# Altium PCB PCB.PcbDoc (part 2 of 2)
Units mm, origin at the board's own origin, x right, y up, seen from the top; angles counter-clockwise.
Board outline 139 x 230 mm, 2 copper layers (Top Layer, Bottom Layer), stack 1.671 mm thick; 214 components, 149 nets, 641 pads, 119 vias.
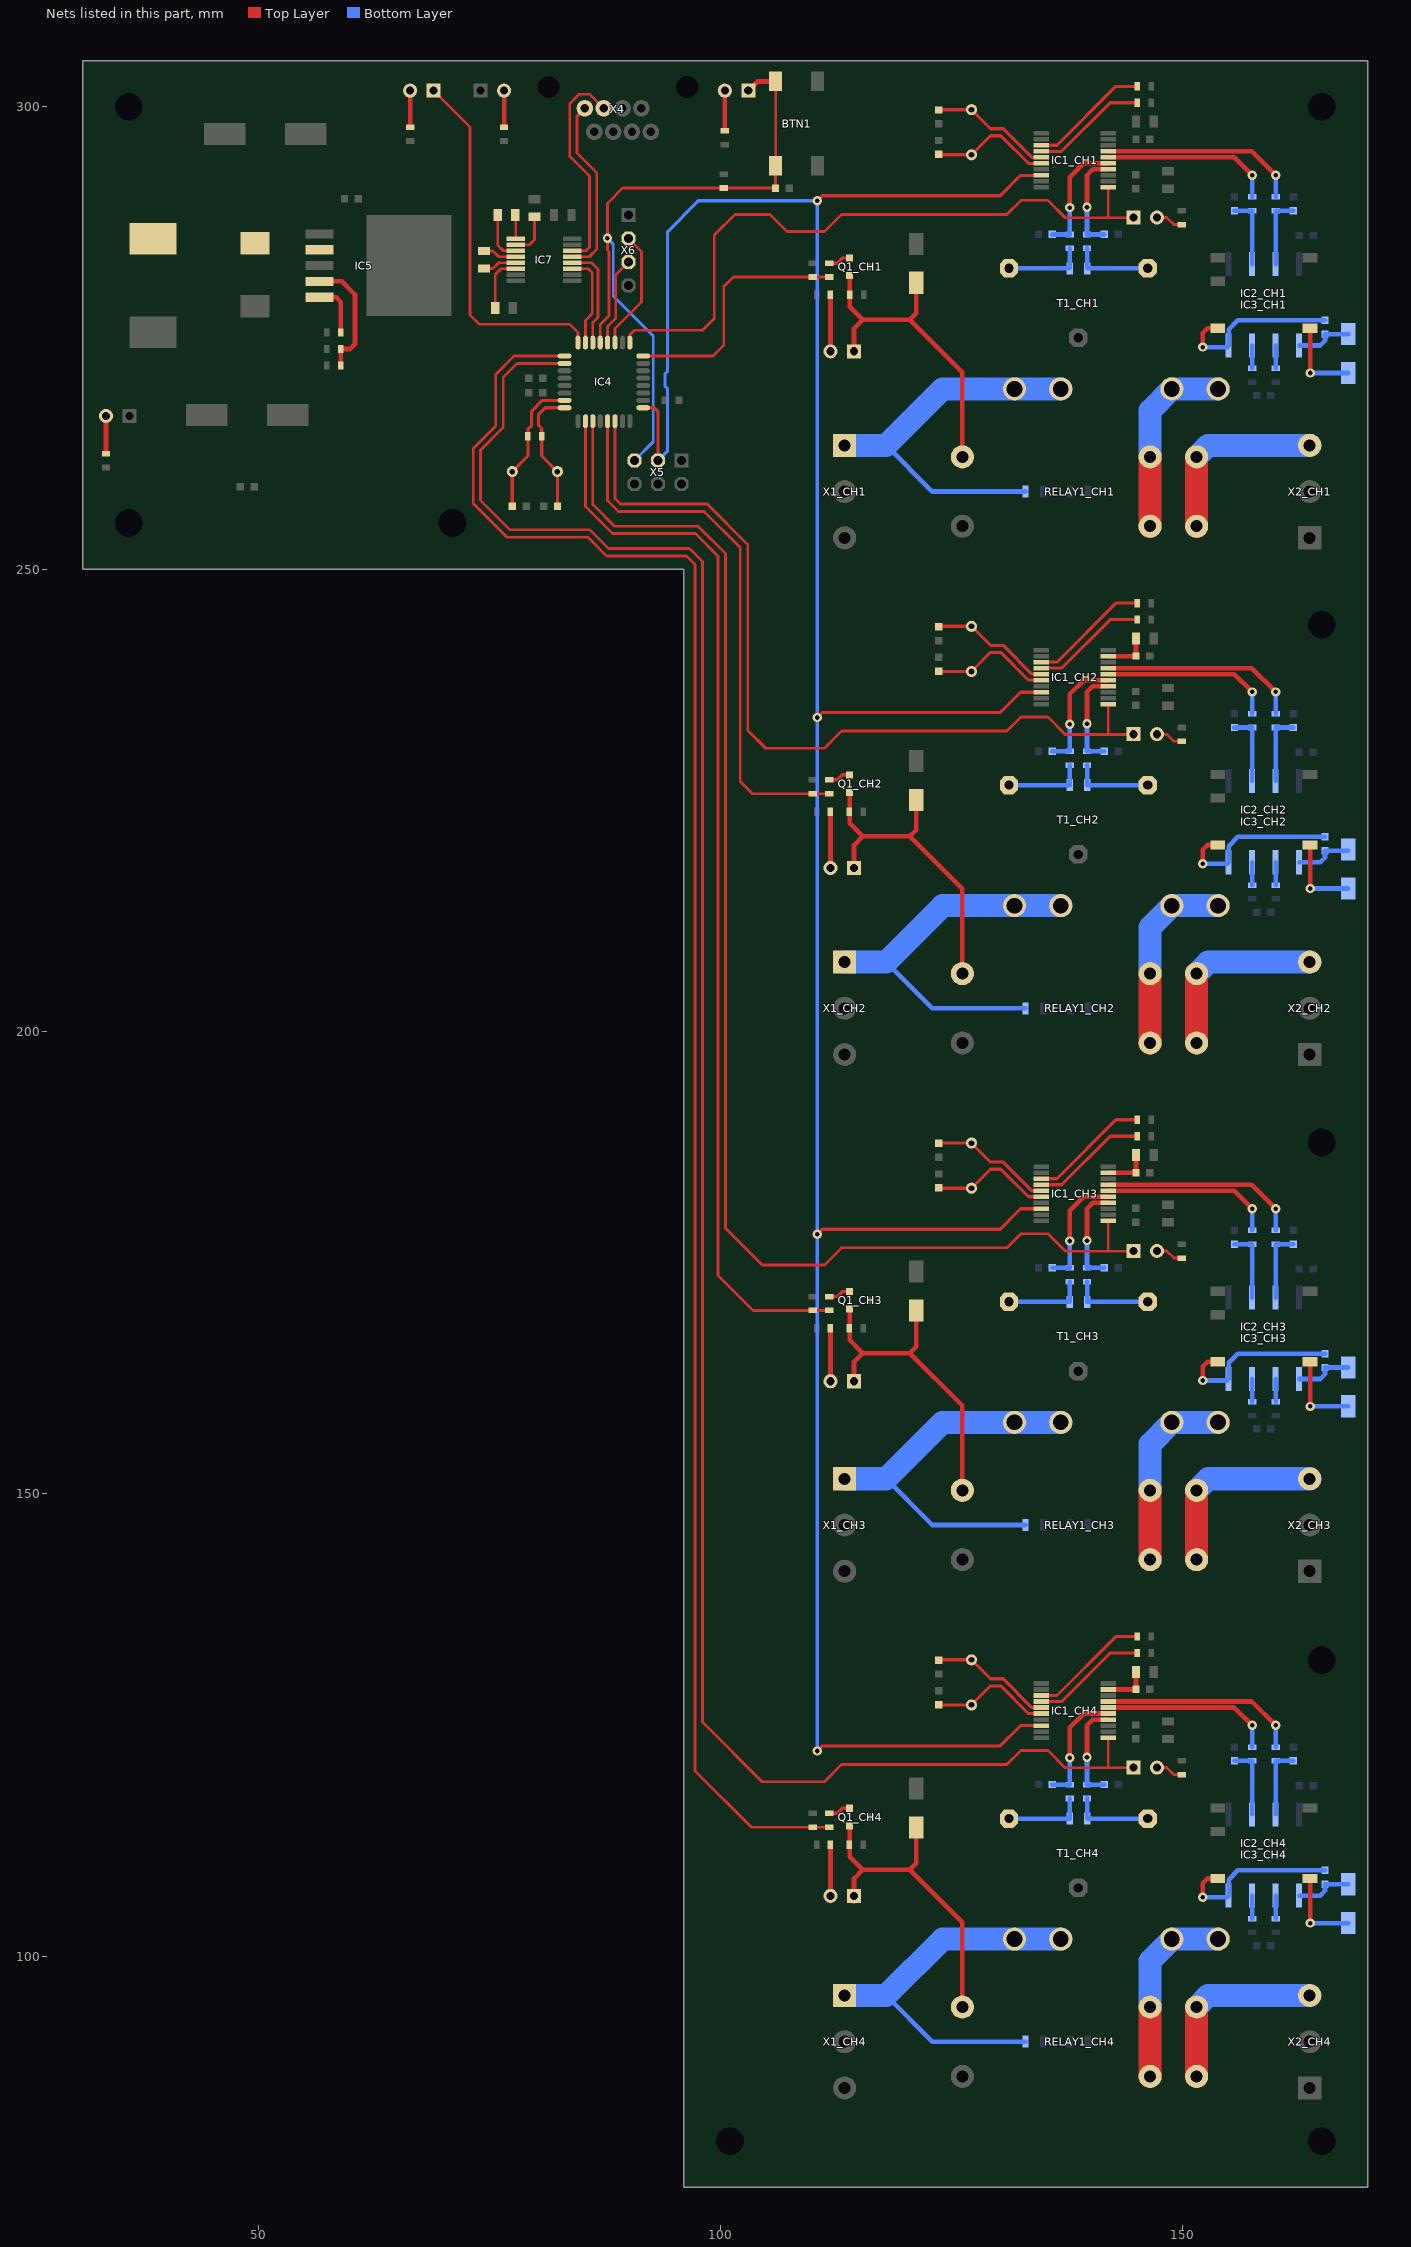
[diagram p2: the nets of this part, all layers, seen from the top]

## Via types
v1: diameter 1, hole 0.5, Top Layer to Bottom Layer, 119 vias

## Nets (pads, with @x,y where several pads share a name; then routed paths per layer and width w, separated by ;. In a path a pad name is that pad's centre, name@x,y a point inside that pad or via, vN(x,y) a via of type N, cw(c..) or ccw(c..) an arc to the next point about the centre after c; other vN are vias at no path point) (continued)
NetC1_CH2_1: C1_CH2.1 C4_CH2.1 IC1_CH2.9 | length 4.9
  Top Layer w0.5: IC1_CH2.9@141.928,240.603 144.919,240.603 C4_CH2.1@144.919,240.614 144.919,242.516 C1_CH2.1@144.922,242.519
NetC1_CH3_1: C1_CH3.1 C4_CH3.1 IC1_CH3.9 | length 4.9
  Top Layer w0.5: IC1_CH3.9@141.928,184.723 144.919,184.723 C4_CH3.1@144.919,184.734 144.919,186.636 C1_CH3.1@144.922,186.639
NetC1_CH4_1: C1_CH4.1 C4_CH4.1 IC1_CH4.9 | length 4.9
  Top Layer w0.5: IC1_CH4.9@141.928,128.843 144.919,128.843 C4_CH4.1@144.919,128.854 144.919,130.756 C1_CH4.1@144.922,130.759
NetC3_CH1_2: C3_CH1.2 IC1_CH1.15 Z1_CH1.2 | length 13.3
  Top Layer w0.35: C3_CH1.2@123.571,299.657 123.61,299.696 Z1_CH1.2@127.127,299.696 129.186,297.637 130.556,297.637 133.66,294.533 IC1_CH1.15@134.678,294.533
NetC3_CH2_2: C3_CH2.2 IC1_CH2.15 Z1_CH2.2 | length 13.3
  Top Layer w0.35: C3_CH2.2@123.571,243.777 123.61,243.816 Z1_CH2.2@127.127,243.816 129.186,241.757 130.556,241.757 133.66,238.653 IC1_CH2.15@134.678,238.653
NetC3_CH3_2: C3_CH3.2 IC1_CH3.15 Z1_CH3.2 | length 13.3
  Top Layer w0.35: C3_CH3.2@123.571,187.897 123.61,187.936 Z1_CH3.2@127.127,187.936 129.186,185.877 130.556,185.877 133.66,182.773 IC1_CH3.15@134.678,182.773
NetC3_CH4_2: C3_CH4.2 IC1_CH4.15 Z1_CH4.2 | length 13.3
  Top Layer w0.35: C3_CH4.2@123.571,132.017 123.61,132.056 Z1_CH4.2@127.127,132.056 129.186,129.997 130.556,129.997 133.66,126.893 IC1_CH4.15@134.678,126.893
NetC7_CH1_2: C7_CH1.2 IC1_CH1.16 Z1_CH1.1 | length 13.2
  Top Layer w0.35: C7_CH1.2@123.571,294.855 123.61,294.816 Z1_CH1.1@127.127,294.816 129.186,296.875 130.302,296.875 133.294,293.883 IC1_CH1.16@134.678,293.883
NetC7_CH2_2: C7_CH2.2 IC1_CH2.16 Z1_CH2.1 | length 13.2
  Top Layer w0.35: C7_CH2.2@123.571,238.975 123.61,238.936 Z1_CH2.1@127.127,238.936 129.186,240.995 130.302,240.995 133.294,238.003 IC1_CH2.16@134.678,238.003
NetC7_CH3_2: C7_CH3.2 IC1_CH3.16 Z1_CH3.1 | length 13.2
  Top Layer w0.35: C7_CH3.2@123.571,183.095 123.61,183.056 Z1_CH3.1@127.127,183.056 129.186,185.115 130.302,185.115 133.294,182.123 IC1_CH3.16@134.678,182.123
NetC7_CH4_2: C7_CH4.2 IC1_CH4.16 Z1_CH4.1 | length 13.2
  Top Layer w0.35: C7_CH4.2@123.571,127.215 123.61,127.176 Z1_CH4.1@127.127,127.176 129.186,129.235 130.302,129.235 133.294,126.243 IC1_CH4.16@134.678,126.243
NetC9_CH1_1: C9_CH1.1 IC3_CH1.7 R14_CH1.1 | length 7.7
  Bottom Layer w0.5: IC3_CH1.7@160.02,282.987 R14_CH1.1@160.02,288.759 C9_CH1.1@161.925,288.759
NetC9_CH2_1: C9_CH2.1 IC3_CH2.7 R14_CH2.1 | length 7.7
  Bottom Layer w0.5: IC3_CH2.7@160.02,227.107 R14_CH2.1@160.02,232.879 C9_CH2.1@161.925,232.879
NetC9_CH3_1: C9_CH3.1 IC3_CH3.7 R14_CH3.1 | length 7.7
  Bottom Layer w0.5: IC3_CH3.7@160.02,171.227 R14_CH3.1@160.02,176.999 C9_CH3.1@161.925,176.999
NetC9_CH4_1: C9_CH4.1 IC3_CH4.7 R14_CH4.1 | length 7.7
  Bottom Layer w0.5: IC3_CH4.7@160.02,115.347 R14_CH4.1@160.02,121.119 C9_CH4.1@161.925,121.119
NetC10_CH1_1: C10_CH1.1 IC3_CH1.6 R16_CH1.1 | length 7.7
  Bottom Layer w0.5: C10_CH1.1@155.575,288.759 R16_CH1.1@157.48,288.759 IC3_CH1.6@157.48,282.987
NetC10_CH2_1: C10_CH2.1 IC3_CH2.6 R16_CH2.1 | length 7.7
  Bottom Layer w0.5: C10_CH2.1@155.575,232.879 R16_CH2.1@157.48,232.879 IC3_CH2.6@157.48,227.107
NetC10_CH3_1: C10_CH3.1 IC3_CH3.6 R16_CH3.1 | length 7.7
  Bottom Layer w0.5: C10_CH3.1@155.575,176.999 R16_CH3.1@157.48,176.999 IC3_CH3.6@157.48,171.227
NetC10_CH4_1: C10_CH4.1 IC3_CH4.6 R16_CH4.1 | length 7.7
  Bottom Layer w0.5: C10_CH4.1@155.575,121.119 R16_CH4.1@157.48,121.119 IC3_CH4.6@157.48,115.347
NetC11_CH1_1: C11_CH1.1 IC2_CH1.4 IC3_CH1.4 | length 19
  Top Layer w0.5: v1(152.146,274.015) 152.146,275.539 152.654,276.047 IC2_CH1.4@153.75,276.047 IC2_CH1.4@154.004,276.047
  Bottom Layer w0.5: v1(152.146,274.015) 154.768,274.015 IC3_CH1.4@154.94,274.187 154.94,275.92 155.944,276.924 C11_CH1.1@165.354,276.924
NetC11_CH1_2: C11_CH1.2 D4_CH1.2 IC3_CH1.1 | length 6.2
  Bottom Layer w0.5: IC3_CH1.1@162.56,274.187 164.84,274.187 165.354,274.701 C11_CH1.2@165.354,275.424 167.863,275.424 D4_CH1.2@167.869,275.429
NetC11_CH2_1: C11_CH2.1 IC2_CH2.4 IC3_CH2.4 | length 19
  Top Layer w0.5: v1(152.146,218.135) 152.146,219.659 152.654,220.167 IC2_CH2.4@153.75,220.167 IC2_CH2.4@154.004,220.167
  Bottom Layer w0.5: v1(152.146,218.135) 154.768,218.135 IC3_CH2.4@154.94,218.307 154.94,220.04 155.944,221.044 C11_CH2.1@165.354,221.044
NetC11_CH2_2: C11_CH2.2 D4_CH2.2 IC3_CH2.1 | length 6.2
  Bottom Layer w0.5: IC3_CH2.1@162.56,218.307 164.84,218.307 165.354,218.821 C11_CH2.2@165.354,219.544 D4_CH2.2@167.863,219.544
NetC11_CH3_1: C11_CH3.1 IC2_CH3.4 IC3_CH3.4 | length 19
  Top Layer w0.5: v1(152.146,162.255) 152.146,163.779 152.654,164.287 IC2_CH3.4@153.75,164.287 IC2_CH3.4@154.004,164.287
  Bottom Layer w0.5: v1(152.146,162.255) 154.768,162.255 IC3_CH3.4@154.94,162.427 154.94,164.16 155.944,165.164 C11_CH3.1@165.354,165.164
NetC11_CH3_2: C11_CH3.2 D4_CH3.2 IC3_CH3.1 | length 6.2
  Bottom Layer w0.5: IC3_CH3.1@162.56,162.427 164.84,162.427 165.354,162.941 C11_CH3.2@165.354,163.664 D4_CH3.2@167.863,163.664
NetC11_CH4_1: C11_CH4.1 IC2_CH4.4 IC3_CH4.4 | length 19
  Top Layer w0.5: v1(152.146,106.375) 152.146,107.899 152.654,108.407 IC2_CH4.4@153.75,108.407 IC2_CH4.4@154.004,108.407
  Bottom Layer w0.5: v1(152.146,106.375) 154.768,106.375 IC3_CH4.4@154.94,106.547 154.94,108.28 155.944,109.284 C11_CH4.1@165.354,109.284
NetC11_CH4_2: C11_CH4.2 D4_CH4.2 IC3_CH4.1 | length 6.2
  Bottom Layer w0.5: IC3_CH4.1@162.56,106.547 164.84,106.547 165.354,107.061 C11_CH4.2@165.354,107.784 D4_CH4.2@167.863,107.784
NetC27_1: C27.1 IC7.3 | length 5.5
  Top Layer w0.3: C27.1@75.885,288.29 75.885,285.049 76.495,284.439 IC7.3@77.849,284.439
NetC27_2: C27.2 IC7.1 | length 2.6
  Top Layer w0.3: C27.2@77.785,288.29 77.849,288.226 IC7.1@77.849,285.739
NetC29_2: C29.2 IC7.2 | length 4.7
  Top Layer w0.3: IC7.2@77.849,285.089 79.349,285.089 79.883,285.623 C29.2@79.883,288.102
NetC30_1: C30.1 IC7.5 | length 3.7
  Top Layer w0.3: C30.1@74.422,282.514 75.377,282.514 76.002,283.139 IC7.5@77.849,283.139
NetC30_2: C30.2 IC7.4 | length 3.7
  Top Layer w0.3: C30.2@74.422,284.414 75.377,284.414 76.002,283.789 IC7.4@77.849,283.789
NetC31_2: C31.2 IC7.6 | length 6.1
  Top Layer w0.3: C31.2@75.631,278.257 75.631,281.879 76.241,282.489 IC7.6@77.849,282.489
NetD1_CH1_2: D1_CH1.2 R1_CH1.1 | length 6.1
  Top Layer w0.5: R1_CH1.1@111.875,279.679 111.887,279.667 D1_CH1.2@111.887,273.558
NetD1_CH2_2: D1_CH2.2 R1_CH2.1 | length 6.1
  Top Layer w0.5: D1_CH2.2@111.887,217.678 R1_CH2.1@111.887,223.787
NetD1_CH3_2: D1_CH3.2 R1_CH3.1 | length 6.1
  Top Layer w0.5: D1_CH3.2@111.887,161.823 D1_CH3.2@111.887,162.179 R1_CH3.1@111.887,167.933
NetD1_CH4_2: D1_CH4.2 R1_CH4.1 | length 6.1
  Top Layer w0.5: D1_CH4.2@111.887,105.943 D1_CH4.2@111.887,106.528 R1_CH4.1@111.887,112.053
NetD3_CH1_2: D3_CH1.2 R10_CH1.1 | length 3
  Top Layer w0.3: D3_CH1.2@147.193,288.036 148.234,288.036 149.01,287.261 R10_CH1.1@149.86,287.261
NetD3_CH2_2: D3_CH2.2 R10_CH2.1 | length 3
  Top Layer w0.3: D3_CH2.2@147.193,232.156 148.234,232.156 149.01,231.381 R10_CH2.1@149.86,231.381
NetD3_CH3_2: D3_CH3.2 R10_CH3.1 | length 3
  Top Layer w0.3: D3_CH3.2@147.193,176.276 148.234,176.276 149.01,175.501 R10_CH3.1@149.86,175.501
NetD3_CH4_2: D3_CH4.2 R10_CH4.1 | length 3
  Top Layer w0.3: D3_CH4.2@147.193,120.396 148.234,120.396 149.01,119.621 R10_CH4.1@149.86,119.621
NetD4_CH1_1: D4_CH1.1 IC2_CH1.5 | length 8.9
  Top Layer w0.5: IC2_CH1.5@163.75,276.047 163.75,271.225 v1(163.754,271.221)
  Bottom Layer w0.5: v1(163.754,271.221) 167.86,271.221 D4_CH1.1@167.869,271.229
NetD4_CH2_1: D4_CH2.1 IC2_CH2.5 | length 8.9
  Top Layer w0.5: v1@163.75,215.472 IC2_CH2.5@163.75,220.167 IC2_CH2.5@163.75,220.294
  Bottom Layer w0.5: v1(163.754,215.468) D4_CH2.1@167.86,215.468
NetD4_CH3_1: D4_CH3.1 IC2_CH3.5 | length 8.9
  Top Layer w0.5: v1@163.75,159.465 IC2_CH3.5@163.75,164.287
  Bottom Layer w0.5: v1(163.754,159.461) D4_CH3.1@167.86,159.461
NetD4_CH4_1: D4_CH4.1 IC2_CH4.5 | length 8.9
  Top Layer w0.5: v1@163.75,103.585 IC2_CH4.5@163.75,108.407
  Bottom Layer w0.5: v1(163.754,103.581) D4_CH4.1@167.86,103.581
NetD5_2: D5.2 R19.1 | length 4.1
  Top Layer w0.5: R19.1@33.528,262.497 D5.2@33.528,266.573
NetD6_2: D6.2 R20.1 | length 4.3
  Top Layer w0.5: R20.1@100.457,297.422 D6.2@100.457,301.752
NetD7_2: D7.2 R21.1 | length 3.9
  Top Layer w0.5: R21.1@66.421,297.803 D7.2@66.421,301.752
NetD8_2: D8.2 R24.1 | length 3.9
  Top Layer w0.5: R24.1@76.581,297.803 D8.2@76.581,301.752
NetIC1_CH1_13: IC1_CH1.13 R5_CH1.1 | length 13
  Top Layer w0.35: IC1_CH1.13@134.678,295.833 136.372,295.833 142.748,302.209 R5_CH1.1@145.046,302.209
NetIC1_CH1_14: IC1_CH1.14 R6_CH1.1 | length 12.5
  Top Layer w0.35: IC1_CH1.14@134.678,295.183 136.865,295.183 142.113,300.431 R6_CH1.1@145.046,300.431
NetIC1_CH2_13: IC1_CH2.13 R5_CH2.1 | length 13
  Top Layer w0.35: IC1_CH2.13@134.678,239.953 136.372,239.953 142.748,246.329 R5_CH2.1@145.046,246.329
NetIC1_CH2_14: IC1_CH2.14 R6_CH2.1 | length 12.5
  Top Layer w0.35: IC1_CH2.14@134.678,239.303 136.865,239.303 142.113,244.551 R6_CH2.1@145.046,244.551
NetIC1_CH3_13: IC1_CH3.13 R5_CH3.1 | length 13
  Top Layer w0.35: IC1_CH3.13@134.678,184.073 136.372,184.073 142.748,190.449 R5_CH3.1@145.046,190.449
NetIC1_CH3_14: IC1_CH3.14 R6_CH3.1 | length 12.5
  Top Layer w0.35: IC1_CH3.14@134.678,183.423 136.865,183.423 142.113,188.671 R6_CH3.1@145.046,188.671
NetIC1_CH4_13: IC1_CH4.13 R5_CH4.1 | length 13
  Top Layer w0.35: IC1_CH4.13@134.678,128.193 136.372,128.193 142.748,134.569 R5_CH4.1@145.046,134.569
NetIC1_CH4_14: IC1_CH4.14 R6_CH4.1 | length 12.5
  Top Layer w0.35: IC1_CH4.14@134.678,127.543 136.865,127.543 142.113,132.791 R6_CH4.1@145.046,132.791
NetIC3_CH1_2: IC3_CH1.2 R13_CH1.2 | length 2.5
  Bottom Layer w0.5: R13_CH1.2@160.02,271.717 IC3_CH1.2@160.02,274.187
NetIC3_CH1_3: IC3_CH1.3 R15_CH1.2 | length 2.5
  Bottom Layer w0.5: R15_CH1.2@157.48,271.717 IC3_CH1.3@157.48,274.187
NetIC3_CH2_2: IC3_CH2.2 R13_CH2.2 | length 2.5
  Bottom Layer w0.5: R13_CH2.2@160.02,215.837 IC3_CH2.2@160.02,218.307
NetIC3_CH2_3: IC3_CH2.3 R15_CH2.2 | length 2.5
  Bottom Layer w0.5: R15_CH2.2@157.48,215.837 IC3_CH2.3@157.48,218.307
NetIC3_CH3_2: IC3_CH3.2 R13_CH3.2 | length 2.5
  Bottom Layer w0.5: R13_CH3.2@160.02,159.957 IC3_CH3.2@160.02,162.427
NetIC3_CH3_3: IC3_CH3.3 R15_CH3.2 | length 2.5
  Bottom Layer w0.5: R15_CH3.2@157.48,159.957 IC3_CH3.3@157.48,162.427
NetIC3_CH4_2: IC3_CH4.2 R13_CH4.2 | length 2.5
  Bottom Layer w0.5: R13_CH4.2@160.02,104.077 IC3_CH4.2@160.02,106.547
NetIC3_CH4_3: IC3_CH4.3 R15_CH4.2 | length 2.5
  Bottom Layer w0.5: R15_CH4.2@157.48,104.077 IC3_CH4.3@157.48,106.547
NetIC5_2: IC5.2 L1.1 VD1.C
NetIC5_4: IC5.4 R25.1 R26.2 | length 13.3
  Top Layer w0.5: IC5.4@56.618,281.119 59.038,281.119 60.452,279.705 60.452,274.32 59.944,273.812 R25.1@58.916,273.812 R26.2@58.916,272.034
NetIC5_5: IC5.5 R27.1 | length 5.8
  Top Layer w0.5: IC5.5@56.618,279.409 58.411,279.409 58.928,278.892 R27.1@58.928,275.59
NetQ1_CH1_1: Q1_CH1.1 R3_CH1.1 | length 2.4
  Top Layer w0.35: R3_CH1.1@111.76,283.096 112.612,283.096 113.157,283.642 Q1_CH1.1@113.944,283.642
NetQ1_CH2_1: Q1_CH2.1 R3_CH2.1 | length 2.4
  Top Layer w0.35: R3_CH2.1@111.76,227.216 112.612,227.216 113.157,227.762 Q1_CH2.1@113.944,227.762
NetQ1_CH3_1: Q1_CH3.1 R3_CH3.1 | length 2.4
  Top Layer w0.35: R3_CH3.1@111.76,171.336 112.612,171.336 113.157,171.882 Q1_CH3.1@113.944,171.882
NetQ1_CH4_1: Q1_CH4.1 R3_CH4.1 | length 2.4
  Top Layer w0.35: R3_CH4.1@111.76,115.456 112.612,115.456 113.157,116.002 Q1_CH4.1@113.944,116.002
NetR7_CH1_2: R7_CH1.2 R8_CH1.1 T1_CH1.2 | length 8.7
  Bottom Layer w0.5: T1_CH1.2@131.184,282.531 131.191,282.524 R8_CH1.1@137.734,282.524 137.734,284.685 R7_CH1.2@137.744,284.695
NetR7_CH2_2: R7_CH2.2 R8_CH2.1 T1_CH2.2 | length 8.7
  Bottom Layer w0.5: T1_CH2.2@131.184,226.651 131.191,226.644 R8_CH2.1@137.734,226.644 137.734,228.805 R7_CH2.2@137.744,228.815
NetR7_CH3_2: R7_CH3.2 R8_CH3.1 T1_CH3.2 | length 8.7
  Bottom Layer w0.5: T1_CH3.2@131.184,170.771 131.191,170.764 R8_CH3.1@137.734,170.764 137.734,172.925 R7_CH3.2@137.744,172.935
NetR7_CH4_2: R7_CH4.2 R8_CH4.1 T1_CH4.2 | length 8.7
  Bottom Layer w0.5: T1_CH4.2@131.184,114.891 131.191,114.884 R8_CH4.1@137.734,114.884 137.734,117.045 R7_CH4.2@137.744,117.055
NetR8_CH1_2: R8_CH1.2 R9_CH1.2 T1_CH1.1 | length 8.7
  Bottom Layer w0.5: R9_CH1.2@139.624,284.695 139.634,284.685 R8_CH1.2@139.634,282.524 146.177,282.524 T1_CH1.1@146.184,282.531
NetR8_CH2_2: R8_CH2.2 R9_CH2.2 T1_CH2.1 | length 8.7
  Bottom Layer w0.5: R9_CH2.2@139.624,228.815 139.634,228.805 R8_CH2.2@139.634,226.644 146.177,226.644 T1_CH2.1@146.184,226.651
NetR8_CH3_2: R8_CH3.2 R9_CH3.2 T1_CH3.1 | length 8.7
  Bottom Layer w0.5: R9_CH3.2@139.624,172.935 139.634,172.925 R8_CH3.2@139.634,170.764 146.177,170.764 T1_CH3.1@146.184,170.771
NetR8_CH4_2: R8_CH4.2 R9_CH4.2 T1_CH4.1 | length 8.7
  Bottom Layer w0.5: R9_CH4.2@139.624,117.055 139.634,117.045 R8_CH4.2@139.634,114.884 146.177,114.884 T1_CH4.1@146.184,114.891
NetRELAY1_CH1_3: RELAY1_CH1.3 RELAY1_CH1.4 X8_CH1.1 | length 20.9
  Top Layer w2.5: RELAY1_CH1.4@146.441,254.644 RELAY1_CH1.3@146.441,262.144
  Bottom Layer w2.5: RELAY1_CH1.3@146.431,262.154 RELAY1_CH1.3@146.441,262.144 146.441,267.138 X8_CH1.1@148.797,269.494 ; X8_CH1.1@148.757,269.494 X8_CH1.1@148.797,269.494 ; X8_CH1.1@153.797,269.494 X8_CH1.1@148.797,269.494
NetRELAY1_CH2_3: RELAY1_CH2.3 RELAY1_CH2.4 X8_CH2.1 | length 20.9
  Top Layer w2.5: RELAY1_CH2.4@146.441,198.764 RELAY1_CH2.3@146.441,206.264
  Bottom Layer w2.5: RELAY1_CH2.3@146.431,206.274 RELAY1_CH2.3@146.441,206.264 146.441,211.258 X8_CH2.1@148.797,213.614 ; X8_CH2.1@148.757,213.614 X8_CH2.1@148.797,213.614 ; X8_CH2.1@153.797,213.614 X8_CH2.1@148.797,213.614
NetRELAY1_CH3_3: RELAY1_CH3.3 RELAY1_CH3.4 X8_CH3.1 | length 20.9
  Top Layer w2.5: RELAY1_CH3.4@146.441,142.884 RELAY1_CH3.3@146.441,150.384
  Bottom Layer w2.5: RELAY1_CH3.3@146.431,150.394 RELAY1_CH3.3@146.441,150.384 146.441,155.378 X8_CH3.1@148.797,157.734 ; X8_CH3.1@148.757,157.734 X8_CH3.1@148.797,157.734 ; X8_CH3.1@153.797,157.734 X8_CH3.1@148.797,157.734
NetRELAY1_CH4_3: RELAY1_CH4.3 RELAY1_CH4.4 X8_CH4.1 | length 20.9
  Top Layer w2.5: RELAY1_CH4.4@146.441,87.004 RELAY1_CH4.3@146.441,94.504
  Bottom Layer w2.5: RELAY1_CH4.3@146.431,94.514 RELAY1_CH4.3@146.441,94.504 146.441,99.498 X8_CH4.1@148.797,101.854 ; X8_CH4.1@148.757,101.854 X8_CH4.1@148.797,101.854 ; X8_CH4.1@153.797,101.854 X8_CH4.1@148.797,101.854
P220_IN_CH1: R17_CH1.1 X1_CH1.1 X7_CH1.1 | length 43
  Bottom Layer w0.5: 117.903,263.394 122.903,258.394 R17_CH1.1@132.969,258.394
  Bottom Layer w2.5: X1_CH1.1@113.411,263.394 117.903,263.394 124.003,269.494 X7_CH1.1@131.779,269.494 X7_CH1.1@136.779,269.494
P220_IN_CH2: R17_CH2.1 X1_CH2.1 X7_CH2.1 | length 43
  Bottom Layer w0.5: 117.903,207.514 122.903,202.514 R17_CH2.1@132.969,202.514
  Bottom Layer w2.5: X1_CH2.1@113.411,207.514 117.903,207.514 124.003,213.614 X7_CH2.1@131.779,213.614 X7_CH2.1@136.779,213.614
P220_IN_CH3: R17_CH3.1 X1_CH3.1 X7_CH3.1 | length 43
  Bottom Layer w0.5: 117.903,151.634 122.903,146.634 R17_CH3.1@132.969,146.634
  Bottom Layer w2.5: X1_CH3.1@113.411,151.634 117.903,151.634 124.003,157.734 X7_CH3.1@131.779,157.734 X7_CH3.1@136.779,157.734
P220_IN_CH4: R17_CH4.1 X1_CH4.1 X7_CH4.1 | length 43
  Bottom Layer w0.5: 117.903,95.754 122.903,90.754 R17_CH4.1@132.969,90.754
  Bottom Layer w2.5: X1_CH4.1@113.411,95.754 117.903,95.754 124.003,101.854 X7_CH4.1@131.779,101.854 X7_CH4.1@136.779,101.854
P220_OUT_CH1: RELAY1_CH1.1 RELAY1_CH1.2 X2_CH1.3 | length 20.2
  Top Layer w2.5: RELAY1_CH1.2@151.481,254.644 RELAY1_CH1.1@151.481,262.144
  Bottom Layer w2.5: RELAY1_CH1.1@151.481,262.144 152.731,263.394 X2_CH1.3@163.703,263.394
P220_OUT_CH2: RELAY1_CH2.1 RELAY1_CH2.2 X2_CH2.3 | length 20.2
  Top Layer w2.5: RELAY1_CH2.2@151.481,198.764 RELAY1_CH2.1@151.481,206.264
  Bottom Layer w2.5: RELAY1_CH2.1@151.481,206.264 152.731,207.514 X2_CH2.3@163.703,207.514
P220_OUT_CH3: RELAY1_CH3.1 RELAY1_CH3.2 X2_CH3.3 | length 20.2
  Top Layer w2.5: RELAY1_CH3.2@151.481,142.884 RELAY1_CH3.1@151.481,150.384
  Bottom Layer w2.5: RELAY1_CH3.1@151.481,150.384 152.731,151.634 X2_CH3.3@163.703,151.634
P220_OUT_CH4: RELAY1_CH4.1 RELAY1_CH4.2 X2_CH4.3 | length 20.2
  Top Layer w2.5: RELAY1_CH4.2@151.481,87.004 RELAY1_CH4.1@151.481,94.504
  Bottom Layer w2.5: RELAY1_CH4.1@151.481,94.504 152.731,95.754 X2_CH4.3@163.703,95.754
R1OUT: IC4.30 IC7.12 | length 11.3
  Top Layer w0.3: IC7.12@83.949,283.139 86.05,283.139 86.741,282.448 86.741,277.241 86.176,276.676 IC4.30@86.176,274.506
RELAY1: IC4.24 R3_CH1.2 R4_CH1.1 | length 27.4
  Top Layer w0.3: IC4.24@91.626,273.056 99.193,273.056 100.33,274.193 100.33,280.543 101.383,281.596 R4_CH1.1@109.957,281.596 R3_CH1.2@111.76,281.596
RELAY2: IC4.13 R3_CH2.2 R4_CH2.1 | length 60.5
  Top Layer w0.3: IC4.13@87.776,266.006 87.776,257.41 88.938,256.248 98.221,256.248 102.123,252.346 102.123,227.036 103.442,225.716 R4_CH2.1@109.957,225.716 R3_CH2.2@111.76,225.716
RELAY3: IC4.10 R3_CH3.2 R4_CH3.1 | length 117.2
  Top Layer w0.3: IC4.10@85.376,266.006 85.376,256.762 88.29,253.848 97.272,253.848 99.723,251.397 99.723,173.607 103.493,169.836 R4_CH3.1@109.957,169.836 R3_CH3.2@111.76,169.836
RELAY4: IC4.1 R3_CH4.2 R4_CH4.1 | length 197.5
  Top Layer w0.3: IC4.1@83.126,273.056 77.665,273.056 75.679,271.07 75.679,265.494 73.241,263.055 73.241,257.098 76.885,253.454 85.636,253.454 87.668,251.422 96.304,251.422 97.229,250.497 97.229,120.042 103.315,113.956 R4_CH4.1@109.957,113.956 R3_CH4.2@111.76,113.956
RELAY_CTRL_CH1: D1_CH1.1 D2_CH1.2 Q1_CH1.2 R2_CH1.1 RELAY1_CH1.5 | length 35.7
  Top Layer w0.5: Q1_CH1.2@113.944,281.737 113.944,279.691 R2_CH1.1@113.956,279.679 113.956,278.397 115.367,276.987 ; D1_CH1.1@114.427,273.558 114.427,276.047 115.367,276.987 ; D2_CH1.2@121.158,280.983 121.158,277.673 120.472,276.987 ; RELAY1_CH1.5@126.141,262.144 126.141,271.318 120.472,276.987 ; 115.367,276.987 120.472,276.987
RELAY_CTRL_CH2: D1_CH2.1 D2_CH2.2 Q1_CH2.2 R2_CH2.1 RELAY1_CH2.5 | length 35.7
  Top Layer w0.5: Q1_CH2.2@113.944,225.857 113.944,223.811 113.956,223.799 113.956,222.517 115.367,221.107 ; D1_CH2.1@114.427,217.678 114.427,220.167 115.367,221.107 ; D2_CH2.2@121.158,225.103 D2_CH2.2@121.158,225.044 121.158,221.793 120.472,221.107 ; RELAY1_CH2.5@126.141,206.264 126.141,215.438 120.472,221.107 ; 115.367,221.107 120.472,221.107
RELAY_CTRL_CH3: D1_CH3.1 D2_CH3.2 Q1_CH3.2 R2_CH3.1 RELAY1_CH3.5 | length 35.7
  Top Layer w0.5: R2_CH3.1@113.944,167.931 Q1_CH3.2@113.944,169.977 ; R2_CH3.1@113.956,167.919 113.956,166.637 115.367,165.227 ; D1_CH3.1@114.427,161.798 D1_CH3.1@114.427,162.179 114.427,164.287 115.367,165.227 ; D2_CH3.2@121.158,169.164 121.158,165.913 120.472,165.227 ; RELAY1_CH3.5@126.141,150.384 126.141,159.558 120.472,165.227 ; 115.367,165.227 120.472,165.227
RELAY_CTRL_CH4: D1_CH4.1 D2_CH4.2 Q1_CH4.2 R2_CH4.1 RELAY1_CH4.5 | length 35.7
  Top Layer w0.5: R2_CH4.1@113.944,112.051 Q1_CH4.2@113.944,114.097 ; R2_CH4.1@113.956,112.039 113.956,110.757 115.367,109.347 ; D1_CH4.1@114.427,105.918 D1_CH4.1@114.427,106.528 114.427,108.407 115.367,109.347 ; D2_CH4.2@121.158,113.284 121.158,110.033 120.472,109.347 ; RELAY1_CH4.5@126.141,94.504 126.141,103.678 120.472,109.347 ; 115.367,109.347 120.472,109.347
RESET: BTN1.2 C14.2 D6.1 IC4.29 R22.2 X5.5 | length 76.2
  Top Layer w0.3: IC4.29@86.976,274.506 86.976,276.46 87.922,277.406 87.922,284.366 87.757,284.531 v1(87.757,285.775) 87.757,289.56 89.408,291.211 R22.2@100.33,291.211 ; R22.2@100.342,291.211 C14.2@105.93,291.211 105.93,293.622 BTN1.2@105.954,293.646 BTN1.2@105.954,302.746
  Top Layer w0.5: D6.1@102.997,301.752 103.991,302.746 BTN1.2@105.954,302.746
  Bottom Layer w0.3: v1(87.757,285.775) 88.392,285.14 88.392,279.527 92.71,275.209 92.71,263.779 X5.5@90.678,261.747
RESET1: D3_CH1.1 IC1_CH1.1 IC4.25 | length 72.2
  Top Layer w0.3: IC4.25@90.176,274.506 90.176,275.342 90.678,275.844 98.044,275.844 99.314,277.114 99.314,286.131 101.549,288.366 105.334,288.366 107.188,286.512 111.227,286.512 113.081,288.366 130.937,288.366 132.461,289.89 135.382,289.89 137.262,288.011 141.923,288.011 ; IC1_CH1.1@141.928,291.283 141.928,288.011 144.628,288.011 D3_CH1.1@144.653,288.036
RESET2: D3_CH2.1 IC1_CH2.1 IC4.14 | length 92.8
  Top Layer w0.3: IC4.14@88.576,266.006 88.576,257.626 89.154,257.048 98.552,257.048 102.923,252.677 102.923,232.586 104.877,230.632 111.227,230.632 113.081,232.486 130.937,232.486 132.461,234.01 135.382,234.01 137.262,232.131 141.928,232.131 ; IC1_CH2.1@141.928,235.403 141.928,232.131 ; D3_CH2.1@144.623,232.131 141.928,232.131
RESET3: D3_CH3.1 IC1_CH3.1 IC4.11 | length 149.7
  Top Layer w0.3: IC4.11@86.176,266.006 86.176,256.978 88.506,254.648 97.558,254.648 100.523,251.683 100.523,178.725 104.496,174.752 111.227,174.752 113.081,176.606 130.937,176.606 132.461,178.13 135.382,178.13 137.262,176.251 141.923,176.251 ; IC1_CH3.1@141.928,179.523 141.928,176.251 D3_CH3.1@144.628,176.251
RESET4: D3_CH4.1 IC1_CH4.1 IC4.2 | length 228.6
  Top Layer w0.3: IC4.2@83.126,272.256 77.997,272.256 76.479,270.739 76.479,265.303 74.041,262.865 74.041,257.429 77.216,254.254 85.852,254.254 87.884,252.222 96.647,252.222 98.029,250.84 98.029,125.313 104.47,118.872 111.227,118.872 113.081,120.726 130.937,120.726 132.461,122.25 135.382,122.25 137.262,120.371 141.923,120.371 ; IC1_CH4.1@141.928,123.643 141.928,120.371 D3_CH4.1@144.628,120.371
RX: IC7.13 X4.1 | length 19.5
  Top Layer w0.3: IC7.13@83.949,283.789 85.796,283.789 86.614,284.607 86.614,292.862 84.455,295.021 84.455,298.976 X4.1@85.312,299.833
SCK: IC1_CH1.18 IC1_CH2.18 IC1_CH3.18 IC1_CH4.18 IC4.17 X5.3 | length 319.2
  Top Layer w0.35: IC4.17@91.626,267.456 92.843,267.456 93.218,267.081 X5.3@93.218,261.747 ; v1(110.439,122.199) 110.983,122.743 130.227,122.743 132.427,124.943 IC1_CH4.18@134.678,124.943 ; v1(110.439,178.079) 110.983,178.623 130.227,178.623 132.427,180.823 IC1_CH3.18@134.678,180.823 ; v1(110.439,233.959) 110.983,234.503 130.227,234.503 132.427,236.703 IC1_CH2.18@134.678,236.703 ; v1(110.439,289.839) 110.983,290.383 130.227,290.383 132.427,292.583 IC1_CH1.18@134.678,292.583
  Bottom Layer w0.35: X5.3@93.218,261.747 94.259,262.788 94.259,269.494 93.98,269.773 93.98,271.145 94.259,271.424 94.259,286.512 97.587,289.839 v1(110.439,289.839) v1(110.439,233.959) v1(110.439,178.079) v1(110.439,122.199)
SCL: IC4.28 X6.3 | length 9.6
  Top Layer w0.3: IC4.28@87.776,274.506 87.776,276.244 88.646,277.114 88.646,281.813 X6.3@90.043,283.21
SDA: IC4.27 X6.2 | length 13
  Top Layer w0.3: IC4.27@88.576,274.506 88.576,276.028 91.44,278.892 91.44,284.353 X6.2@90.043,285.75
STATUS: D7.1 IC4.32 | length 39.4
  Top Layer w0.3: D7.1@68.961,301.752 72.898,297.815 72.898,277.495 73.914,276.479 83.693,276.479 84.576,275.596 IC4.32@84.576,274.506
T1IN: IC4.31 IC7.11 | length 10.2
  Top Layer w0.3: IC7.11@83.949,282.489 85.684,282.489 86.106,282.067 86.106,277.622 85.376,276.892 IC4.31@85.376,274.506
TX: IC7.14 X4.3 | length 23.2
  Top Layer w0.3: IC7.14@83.949,284.439 85.43,284.439 85.814,284.823 85.814,292.519 83.693,294.64 83.693,300.355 84.709,301.371 85.814,301.371 X4.3@87.352,299.833
V1N_CH1: C2_CH1.1 IC1_CH1.5 R7_CH1.1 | length 12.9
  Top Layer w0.5: v1(137.744,289.103) 137.744,292.379 139.248,293.883 IC1_CH1.5@141.928,293.883
  Bottom Layer w0.5: C2_CH1.1@135.878,286.207 135.89,286.195 R7_CH1.1@137.744,286.195 v1(137.744,289.103)
V1N_CH2: C2_CH2.1 IC1_CH2.5 R7_CH2.1 | length 12.9
  Top Layer w0.5: v1(137.744,233.223) 137.744,236.499 139.248,238.003 IC1_CH2.5@141.928,238.003
  Bottom Layer w0.5: C2_CH2.1@135.878,230.327 135.89,230.315 R7_CH2.1@137.744,230.315 v1(137.744,233.223)
V1N_CH3: C2_CH3.1 IC1_CH3.5 R7_CH3.1 | length 12.9
  Top Layer w0.5: v1(137.744,177.343) 137.744,180.619 139.248,182.123 IC1_CH3.5@141.928,182.123
  Bottom Layer w0.5: C2_CH3.1@135.878,174.447 135.89,174.435 R7_CH3.1@137.744,174.435 v1(137.744,177.343)
V1N_CH4: C2_CH4.1 IC1_CH4.5 R7_CH4.1 | length 12.9
  Top Layer w0.5: v1(137.744,121.463) 137.744,124.739 139.248,126.243 IC1_CH4.5@141.928,126.243
  Bottom Layer w0.5: C2_CH4.1@135.878,118.567 135.89,118.555 R7_CH4.1@137.744,118.555 v1(137.744,121.463)
V1P_CH1: C8_CH1.1 IC1_CH1.4 R9_CH1.1 | length 10.8
  Top Layer w0.5: v1(139.624,289.154) 139.624,292.608 140.249,293.233 IC1_CH1.4@141.928,293.233
  Bottom Layer w0.5: v1(139.624,289.154) R9_CH1.1@139.624,286.195 141.478,286.195 C8_CH1.1@141.49,286.207
V1P_CH2: C8_CH2.1 IC1_CH2.4 R9_CH2.1 | length 10.8
  Top Layer w0.5: v1(139.624,233.274) 139.624,236.728 140.249,237.353 IC1_CH2.4@141.928,237.353
  Bottom Layer w0.5: v1(139.624,233.274) R9_CH2.1@139.624,230.315 141.478,230.315 C8_CH2.1@141.49,230.327
V1P_CH3: C8_CH3.1 IC1_CH3.4 R9_CH3.1 | length 10.8
  Top Layer w0.5: v1(139.624,177.394) 139.624,180.848 140.249,181.473 IC1_CH3.4@141.928,181.473
  Bottom Layer w0.5: v1(139.624,177.394) R9_CH3.1@139.624,174.435 141.478,174.435 C8_CH3.1@141.49,174.447
V1P_CH4: C8_CH4.1 IC1_CH4.4 R9_CH4.1 | length 10.8
  Top Layer w0.5: v1(139.624,121.514) 139.624,124.968 140.249,125.593 IC1_CH4.4@141.928,125.593
  Bottom Layer w0.5: v1(139.624,121.514) R9_CH4.1@139.624,118.555 141.478,118.555 C8_CH4.1@141.49,118.567
V2N_CH1: IC1_CH1.6 R16_CH1.2 | length 18.7
  Top Layer w0.5: IC1_CH1.6@141.928,294.533 155.555,294.533 v1(157.48,292.608)
  Bottom Layer w0.5: R16_CH1.2@157.48,290.259 v1(157.48,292.608)
V2N_CH2: IC1_CH2.6 R16_CH2.2 | length 18.7
  Top Layer w0.5: IC1_CH2.6@141.928,238.653 155.555,238.653 v1(157.48,236.728)
  Bottom Layer w0.5: R16_CH2.2@157.48,234.379 v1(157.48,236.728)
V2N_CH3: IC1_CH3.6 R16_CH3.2 | length 18.7
  Top Layer w0.5: IC1_CH3.6@141.928,182.773 155.555,182.773 v1(157.48,180.848)
  Bottom Layer w0.5: R16_CH3.2@157.48,178.499 v1(157.48,180.848)
V2N_CH4: IC1_CH4.6 R16_CH4.2 | length 18.7
  Top Layer w0.5: IC1_CH4.6@141.928,126.893 155.555,126.893 v1(157.48,124.968)
  Bottom Layer w0.5: R16_CH4.2@157.48,122.619 v1(157.48,124.968)
V2P_CH1: IC1_CH1.7 R14_CH1.2 | length 21.5
  Top Layer w0.5: IC1_CH1.7@141.928,295.183 157.445,295.183 v1(160.02,292.608)
  Bottom Layer w0.5: R14_CH1.2@160.02,290.259 v1(160.02,292.608)
V2P_CH2: IC1_CH2.7 R14_CH2.2 | length 21.5
  Top Layer w0.5: IC1_CH2.7@141.928,239.303 157.445,239.303 v1(160.02,236.728)
  Bottom Layer w0.5: R14_CH2.2@160.02,234.379 v1(160.02,236.728)
V2P_CH3: IC1_CH3.7 R14_CH3.2 | length 21.5
  Top Layer w0.5: IC1_CH3.7@141.928,183.423 157.445,183.423 v1(160.02,180.848)
  Bottom Layer w0.5: R14_CH3.2@160.02,178.499 v1(160.02,180.848)
V2P_CH4: IC1_CH4.7 R14_CH4.2 | length 21.5
  Top Layer w0.5: IC1_CH4.7@141.928,127.543 157.445,127.543 v1(160.02,124.968)
  Bottom Layer w0.5: R14_CH4.2@160.02,122.619 v1(160.02,124.968)
XTAL1: C15.1 IC4.7 R23.1 Z2.2 | length 15.2
  Top Layer w0.35: C15.1@77.468,256.819 Z2.2@77.468,260.553 79.158,262.243 R23.1@79.158,264.363 79.158,265.137 79.553,265.532 79.553,267.081 80.728,268.256 IC4.7@83.126,268.256
XTAL2: C19.1 IC4.8 R23.2 Z2.1 | length 13.9
  Top Layer w0.35: C19.1@82.348,256.819 Z2.1@82.348,260.553 80.658,262.243 R23.2@80.658,264.363 80.658,265.213 80.315,265.557 80.315,266.751 81.02,267.456 IC4.8@83.126,267.456
pads on no net: IC1_CH1.11 IC1_CH1.12 IC1_CH2.11 IC1_CH2.12 IC1_CH3.11 IC1_CH3.12 IC1_CH4.11 IC1_CH4.12 IC2_CH1.8 IC2_CH2.8 IC2_CH3.8 IC2_CH4.8 IC4.19 IC4.20 IC4.22 IC7.7 IC7.8 IC7.9 IC7.10 T1_CH1.3 T1_CH2.3 T1_CH3.3 T1_CH4.3 X1_CH1.2 X1_CH2.2 X1_CH3.2 X1_CH4.2 X2_CH1.2 X2_CH2.2 X2_CH3.2 X2_CH4.2 X4.0 X4.5 X4.6 X4.8

## Polygon pours and split planes (outlines as drawn)
5V on Bottom Layer "Bottom Layer-5V" (solid, pour order 18): 34.925,258.191 38.862,258.191 38.862,270.383 66.04,270.383 66.04,273.304 34.925,273.304
GND on Bottom Layer "Bottom Layer-GND(CH2)" (solid, remove dead copper, pour order 28): 170,248.92 170,222.758 104.902,222.758 104.902,248.92
GND on Bottom Layer "Bottom Layer-GND(CH3)" (solid, remove dead copper, pour order 31): 170,193.04 170,166.878 104.902,166.878 104.902,193.04
GND on Bottom Layer "Bottom Layer-GND(CH4)" (solid, remove dead copper, pour order 34): 170,137.16 170,110.998 104.902,110.998 104.902,137.16
12V on Bottom Layer "Bottom Layer-12V" (solid, pour order 16): 56.896,299.822 56.896,294.386 83.566,294.386 83.566,299.822
GND on Bottom Layer "Bottom Layer-GND(CH1)" (solid, remove dead copper, pour order 25): 111.252,305 111.252,288.569 105.029,282.346 105.029,278.638 170,278.638 169.926,278.712 169.926,305
GND on Bottom Layer "Bottom Layer-GND(MCU)" (solid, remove dead copper, pour order 22): 31,305 31.054,305.054 110.49,305.054 110.49,292.1 102.616,284.226 102.616,250 31,250
NetIC5_2 on Top Layer "Top Layer-NetlC5_2" (solid, pour order 0): 52.705,287.477 52.705,285.039 58.115,285.039 58.115,284.048 36.017,284.048 36.017,285.648 36.017,287.477
12V on Top Layer "Top Layer-12V" (solid, pour order 2): 53.467,302.387 50.546,302.387 50.546,290.83 53.467,290.83 53.467,285.75 59.919,285.75 59.919,302.387
GND on Top Layer "Top Layer-GND(1)" (solid, pour order 4): 60.427,283.337 55.093,283.337 55.093,282.321 61.62,282.321 61.62,276.86 70.993,276.86 70.993,288.29 60.427,288.29
GND on Top Layer "Top Layer-GND(2)" (solid, pour order 8): 52.781,258.191 50.495,258.191 49.073,258.191 49.073,273.787 46.253,273.787 46.253,283.337 58.166,283.337 58.166,282.321 54.483,282.321 54.483,278.232 57.734,278.232 57.734,273.075 56.693,273.075 56.693,262.103
5V on Top Layer "Top Layer-5V(1)" (solid, pour order 10): 42.037,272.745 43.84,272.745 48.565,272.745 48.565,258.191 43.815,258.191 34.925,258.191 34.925,277.393 42.037,277.393
GND on Top Layer "Top Layer-GND(CH2)" (solid, remove dead copper, pour order 26): 170,248.92 170,222.758 104.902,222.758 104.902,248.92
GND on Top Layer "Top Layer-GND(CH3)" (solid, remove dead copper, pour order 29): 170,193.04 170,166.878 104.902,166.878 104.902,193.04
GND on Top Layer "Top Layer-GND(CH4)" (solid, remove dead copper, pour order 32): 170,137.16 170,110.998 104.902,110.998 104.902,137.16
GND on Top Layer "Top Layer-GND(CH1)" (solid, remove dead copper, pour order 23): 111.252,305 111.252,288.569 105.029,282.346 105.029,278.638 170,278.638 169.926,278.712 169.926,305
GND on Top Layer "Top Layer-GND(MCU)" (solid, remove dead copper, pour order 20): 31,305 31.054,305.054 110.49,305.054 110.49,292.1 102.616,284.226 102.616,250 31,250

## Keep-outs
Keep-Out Layer:
  the board outline again, w0.254

## Other copper
Top Layer:
  pour cut-out: 111.252,305 111.252,291.592 113.03,291.592 113.03,305
  pour cut-out: 32.512,286.766 35.56,286.766 35.56,283.718 41.656,283.718 44.704,283.718 44.704,274.574 44.657,274.621 42.425,274.621 42.425,277.869 34.544,277.876 34.544,274.574 32.512,274.574
Bottom Layer:
  pour cut-out: 32.512,286.766 35.56,286.766 41.656,286.766 44.704,286.766 44.704,274.574 44.657,274.621 42.425,274.621 34.544,274.628 34.544,274.574 32.512,274.574

## Silkscreen, mask and mechanical layers (free items; w line width, h text height)
Top Overlay:
  lines w0.254: 105.029,110.947 169.672,110.947 ; 105.029,166.827 169.672,166.827 ; 105.029,222.707 169.672,222.707 ; 105.029,278.587 169.672,278.587
  text "R5" at 147.574,301.752 h1.52
  text "R6" at 147.574,299.72 h1.52
  text "Z1" at 131.572,298.704 h1.52 r90
  text "IC1" at 136.652,298.45 h1.52
  text "C3" at 122.174,297.942 h1.52 r90
  text "C1" at 148.082,297.688 h1.52
  text "C4" at 148.844,295.91 h1.52
  text "C7" at 122.174,294.132 h1.52 r90
  text "C6" at 143.535,293.929 h1.52
  text "C5" at 147.091,293.929 h1.52
  text "12V" at 91.948,287.909 h1.5
  text "IC2" at 156.718,287.528 h1.52
  text "R10" at 152.654,286.791 h1.52 r90
  text "D3" at 140.208,286.766 h1.52
  text "SDA" at 91.948,285.369 h1.5
  text "T1" at 127,285.242 h1.52
  text "Q1" at 113.792,284.734 h1.52
  text "R4" at 110.236,284.226 h1.52 r90
  text "R3" at 112.268,284.226 h1.52 r90
  text "SCL" at 92.075,282.829 h1.5
  text "D2" at 124.714,281.94 h1.52 r90
  text "GND" at 91.948,280.289 h1.5
  text "R1" at 107.188,279.146 h1.52
  text "R2" at 116.586,279.146 h1.52
  text "D1" at 107.188,272.796 h1.52
  text "X7" at 127,268.732 h1.52
  text "X8" at 155.956,268.732 h1.52
  text "X1" at 108.204,266.7 h1.52
  text "X2" at 166.624,266.7 h1.52
  text "K1" at 123.19,264.16 h1.52 r90
  text "SMART OUTLET / r001.1" at 40,252 h3
  text "R5" at 147.574,245.872 h1.52
  text "R6" at 147.574,243.84 h1.52
  text "Z1" at 131.572,242.824 h1.52 r90
  text "IC1" at 136.652,242.57 h1.52
  text "C3" at 122.174,242.062 h1.52 r90
  text "C1" at 148.082,241.808 h1.52
  text "C4" at 148.844,240.03 h1.52
  text "C7" at 122.174,238.252 h1.52 r90
  text "C6" at 143.535,238.049 h1.52
  text "C5" at 147.091,238.049 h1.52
  text "IC2" at 156.718,231.648 h1.52
  text "R10" at 152.654,230.911 h1.52 r90
  text "D3" at 140.208,230.886 h1.52
  text "T1" at 127,229.362 h1.52
  text "Q1" at 113.792,228.854 h1.52
  text "R4" at 110.236,228.346 h1.52 r90
  text "R3" at 112.268,228.346 h1.52 r90
  text "D2" at 124.714,226.06 h1.52 r90
  text "R1" at 107.188,223.266 h1.52
  text "R2" at 116.586,223.266 h1.52
  text "D1" at 107.188,216.916 h1.52
  text "X7" at 127,212.852 h1.52
  text "X8" at 155.956,212.852 h1.52
  text "X1" at 108.204,210.82 h1.52
  text "X2" at 166.624,210.82 h1.52
  text "K1" at 123.19,208.28 h1.52 r90
  text "R5" at 147.574,189.992 h1.52
  text "R6" at 147.574,187.96 h1.52
  text "Z1" at 131.572,186.944 h1.52 r90
  text "IC1" at 136.652,186.69 h1.52
  text "C3" at 122.174,186.182 h1.52 r90
  text "C1" at 148.082,185.928 h1.52
  text "C4" at 148.844,184.15 h1.52
  text "C7" at 122.174,182.372 h1.52 r90
  text "C6" at 143.535,182.169 h1.52
  text "C5" at 147.091,182.169 h1.52
  text "IC2" at 156.718,175.768 h1.52
  text "R10" at 152.654,175.031 h1.52 r90
  text "D3" at 140.208,175.006 h1.52
  text "T1" at 127,173.482 h1.52
  text "Q1" at 113.792,172.974 h1.52
  text "R4" at 110.236,172.466 h1.52 r90
  text "R3" at 112.268,172.466 h1.52 r90
  text "D2" at 124.714,170.18 h1.52 r90
  text "R1" at 107.188,167.386 h1.52
  text "R2" at 116.586,167.386 h1.52
  text "D1" at 107.188,161.036 h1.52
  text "X7" at 127,156.972 h1.52
  text "X8" at 155.956,156.972 h1.52
  text "X1" at 108.204,154.94 h1.52
  text "X2" at 166.624,154.94 h1.52
  text "K1" at 123.19,152.4 h1.52 r90
  text "R5" at 147.574,134.112 h1.52
  text "R6" at 147.574,132.08 h1.52
  text "Z1" at 131.572,131.064 h1.52 r90
  text "IC1" at 136.652,130.81 h1.52
  text "C3" at 122.174,130.302 h1.52 r90
  text "C1" at 148.082,130.048 h1.52
  text "C4" at 148.844,128.27 h1.52
  text "C7" at 122.174,126.492 h1.52 r90
  text "C6" at 143.535,126.289 h1.52
  text "C5" at 147.091,126.289 h1.52
  text "IC2" at 156.718,119.888 h1.52
  text "R10" at 152.654,119.151 h1.52 r90
  text "D3" at 140.208,119.126 h1.52
  text "T1" at 127,117.602 h1.52
  text "Q1" at 113.792,117.094 h1.52
  text "R4" at 110.236,116.586 h1.52 r90
  text "R3" at 112.268,116.586 h1.52 r90
  text "D2" at 124.714,114.3 h1.52 r90
  text "R1" at 107.188,111.506 h1.52
  text "R2" at 116.586,111.506 h1.52
  text "D1" at 107.188,105.156 h1.52
  text "X7" at 127,101.092 h1.52
  text "X8" at 155.956,101.092 h1.52
  text "X1" at 108.204,99.06 h1.52
  text "X2" at 166.624,99.06 h1.52
  text "K1" at 123.19,96.52 h1.52 r90
Bottom Overlay:
  text "C10" at 156.21,297.688 h1.52 r90
  text "R16" at 158.242,297.688 h1.52 r90
  text "R14" at 160.782,297.688 h1.52 r90
  text "C9" at 162.814,297.688 h1.52 r90
  text "R7" at 138.684,289.56 h1.52 r90
  text "R9" at 140.716,289.56 h1.52 r90
  text "C2" at 133.35,285.496 h1.52
  text "C8" at 146.558,285.496 h1.52
  text "C12" at 161.29,285.242 h1.52
  text "C11" at 166.116,281.432 h1.52 r90
  text "IC2" at 153.162,280.162 h1.52 r90
  text "R8" at 139.954,279.654 h1.52
  text "R15" at 156.464,272.288 h1.52 r90
  text "R13" at 162.56,272.288 h1.52 r90
  text "D4" at 168.656,269.24 h1.52 r90
  text "C13" at 160.528,266.192 h1.52
  text "R17" at 135.382,259.842 h1.52
  text "R18" at 140.208,259.842 h1.52
  text "C10" at 156.21,241.808 h1.52 r90
  text "R16" at 158.242,241.808 h1.52 r90
  text "R14" at 160.782,241.808 h1.52 r90
  text "C9" at 162.814,241.808 h1.52 r90
  text "R7" at 138.684,233.68 h1.52 r90
  text "R9" at 140.716,233.68 h1.52 r90
  text "C2" at 133.35,229.616 h1.52
  text "C8" at 146.558,229.616 h1.52
  text "C12" at 161.29,229.362 h1.52
  text "C11" at 166.116,225.552 h1.52 r90
  text "IC2" at 153.162,224.282 h1.52 r90
  text "R8" at 139.954,223.774 h1.52
  text "R15" at 156.464,216.408 h1.52 r90
  text "R13" at 162.56,216.408 h1.52 r90
  text "D4" at 168.656,213.36 h1.52 r90
  text "C13" at 160.528,210.312 h1.52
  text "R17" at 135.382,203.962 h1.52
  text "R18" at 140.208,203.962 h1.52
  text "C10" at 156.21,185.928 h1.52 r90
  text "R16" at 158.242,185.928 h1.52 r90
  text "R14" at 160.782,185.928 h1.52 r90
  text "C9" at 162.814,185.928 h1.52 r90
  text "R7" at 138.684,177.8 h1.52 r90
  text "R9" at 140.716,177.8 h1.52 r90
  text "C2" at 133.35,173.736 h1.52
  text "C8" at 146.558,173.736 h1.52
  text "C12" at 161.29,173.482 h1.52
  text "C11" at 166.116,169.672 h1.52 r90
  text "IC2" at 153.162,168.402 h1.52 r90
  text "R8" at 139.954,167.894 h1.52
  text "R15" at 156.464,160.528 h1.52 r90
  text "R13" at 162.56,160.528 h1.52 r90
  text "D4" at 168.656,157.48 h1.52 r90
  text "C13" at 160.528,154.432 h1.52
  text "R17" at 135.382,148.082 h1.52
  text "R18" at 140.208,148.082 h1.52
  text "C10" at 156.21,130.048 h1.52 r90
  text "R16" at 158.242,130.048 h1.52 r90
  text "R14" at 160.782,130.048 h1.52 r90
  text "C9" at 162.814,130.048 h1.52 r90
  text "R7" at 138.684,121.92 h1.52 r90
  text "R9" at 140.716,121.92 h1.52 r90
  text "C2" at 133.35,117.856 h1.52
  text "C8" at 146.558,117.856 h1.52
  text "C12" at 161.29,117.602 h1.52
  text "C11" at 166.116,113.792 h1.52 r90
  text "IC2" at 153.162,112.522 h1.52 r90
  text "R8" at 139.954,112.014 h1.52
  text "R15" at 156.464,104.648 h1.52 r90
  text "R13" at 162.56,104.648 h1.52 r90
  text "D4" at 168.656,101.6 h1.52 r90
  text "C13" at 160.528,98.552 h1.52
  text "R17" at 135.382,92.202 h1.52
  text "R18" at 140.208,92.202 h1.52

## Dimensions
165,80 to 165,132 on Mechanical 13
165,132 to 165,188 on Mechanical 13
165,188 to 165,244 on Mechanical 13
165,244 to 165,300 on Mechanical 13
71,255 to 96,250 on Mechanical 13
36,255 to 31,250 on Mechanical 13
36,255 to 31,250 on Mechanical 13
36,300 to 31,305 on Mechanical 13
36,300 to 31,305 on Mechanical 13
165,300 to 170,305 on Mechanical 13
165,300 to 170,305 on Mechanical 13
96,75 to 170,75 on Mechanical 13
96,250 to 96,75 on Mechanical 13
170,305 to 170,75 on Mechanical 13
31,305 to 170,305 on Mechanical 13
36,300 to 36,255 on Mechanical 13
101,80 to 165,80 on Mechanical 13